# Altium PCB PCB1.PcbDoc (part 1 of 4)
Units mm, origin at the board's own origin, x right, y up, seen from the top; angles counter-clockwise.
Board outline 56.01 x 67.94 mm, 2 copper layers (Top Layer, Bottom Layer); 131 components, 109 nets, 548 pads, 93 vias.
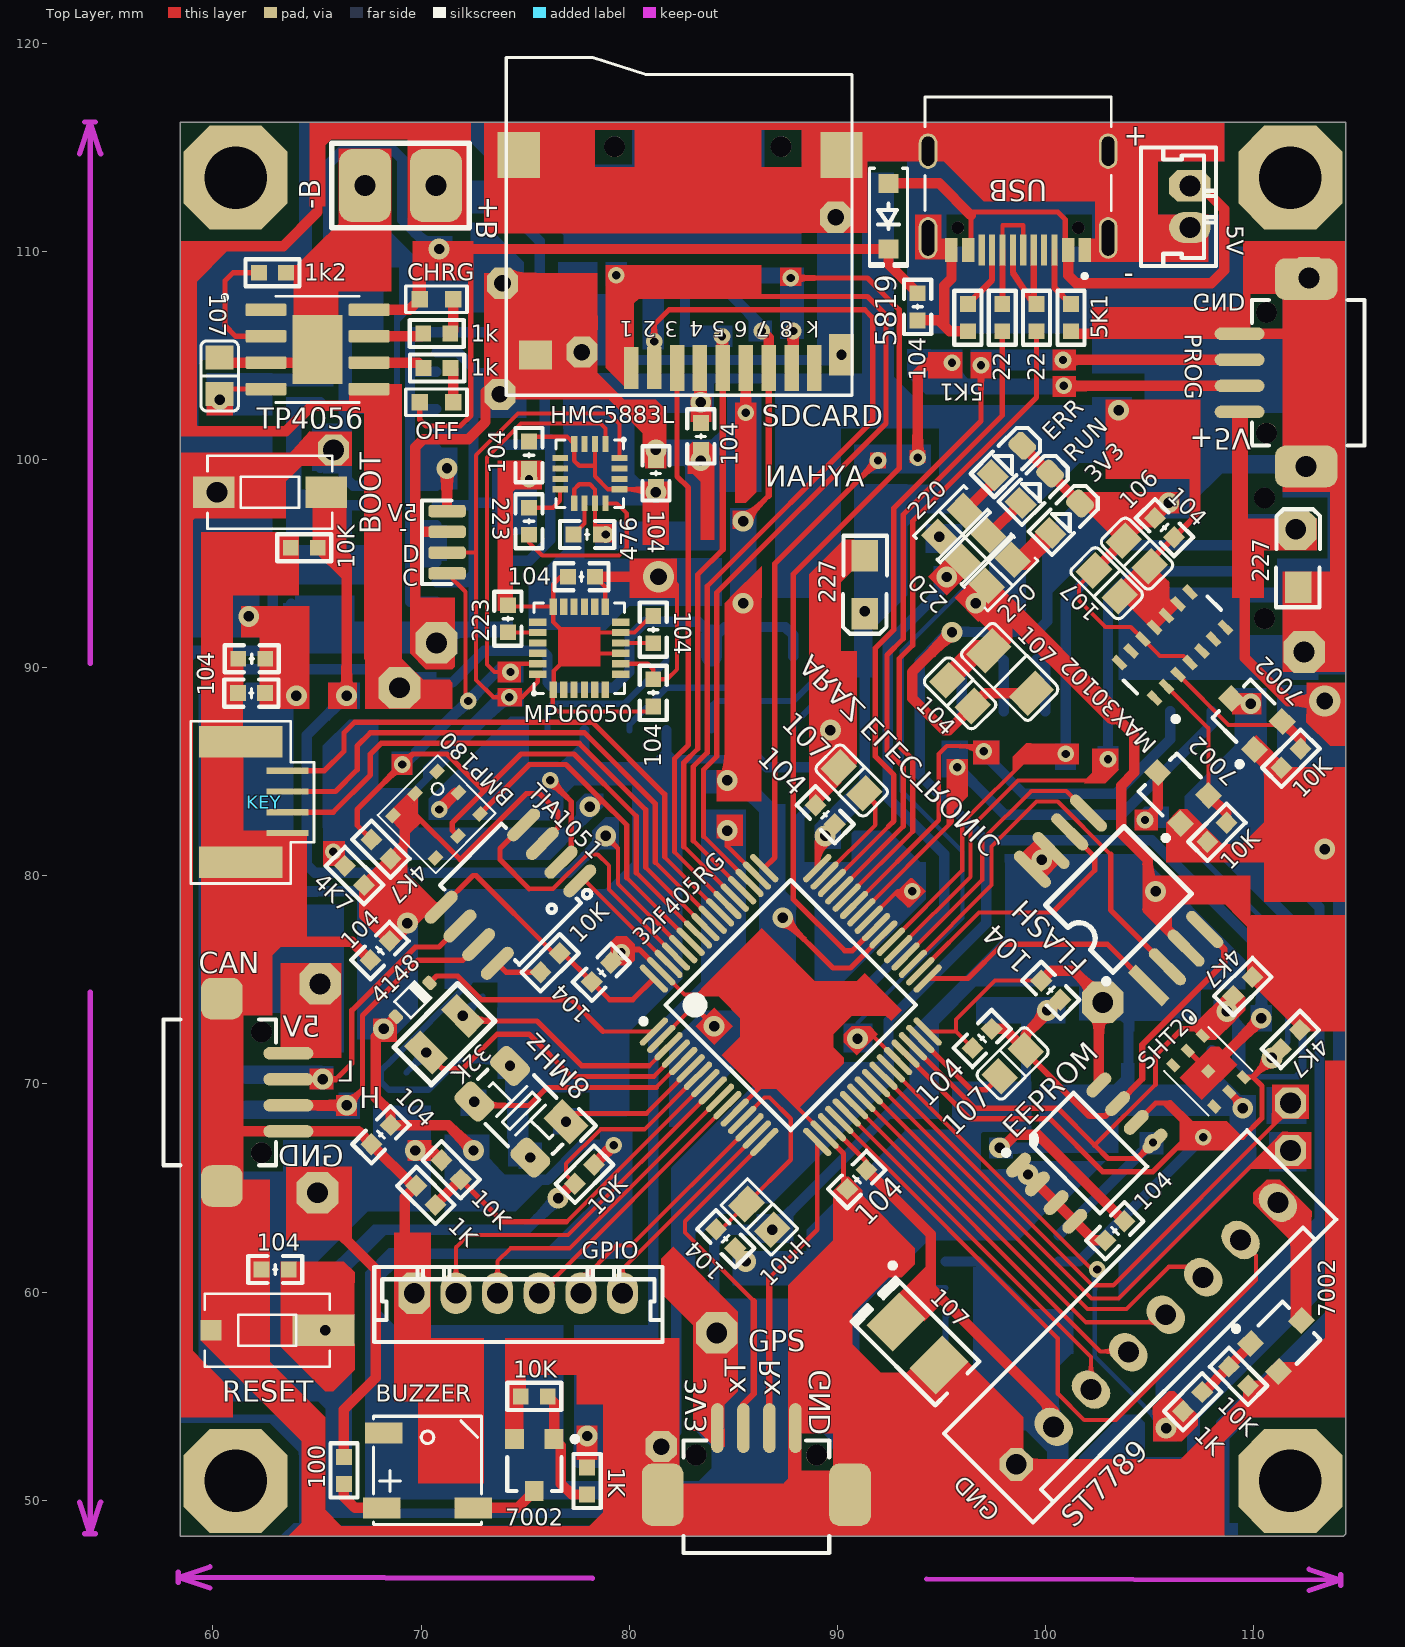
[diagram p0: Top Layer view]
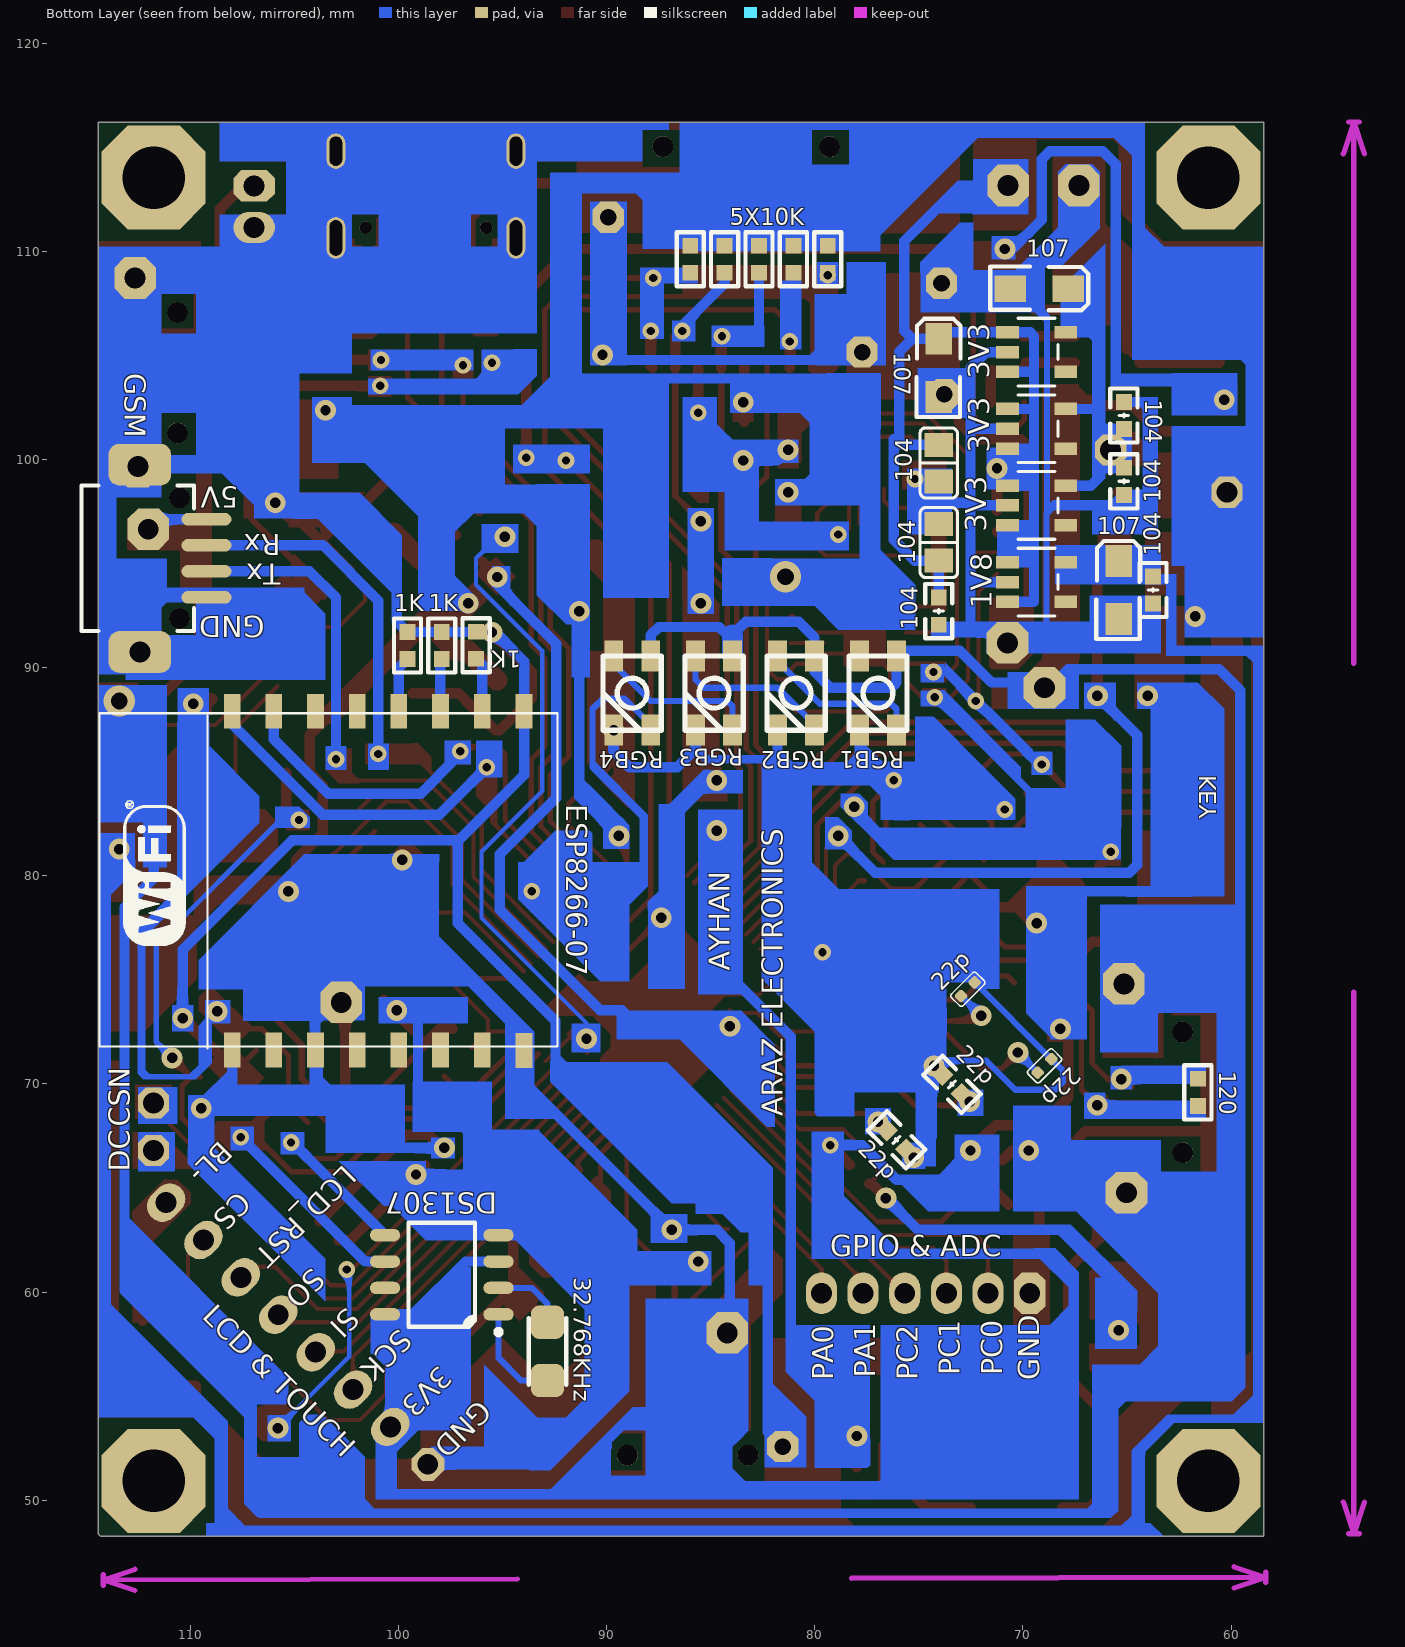
[diagram p1: Bottom Layer view, seen from below]
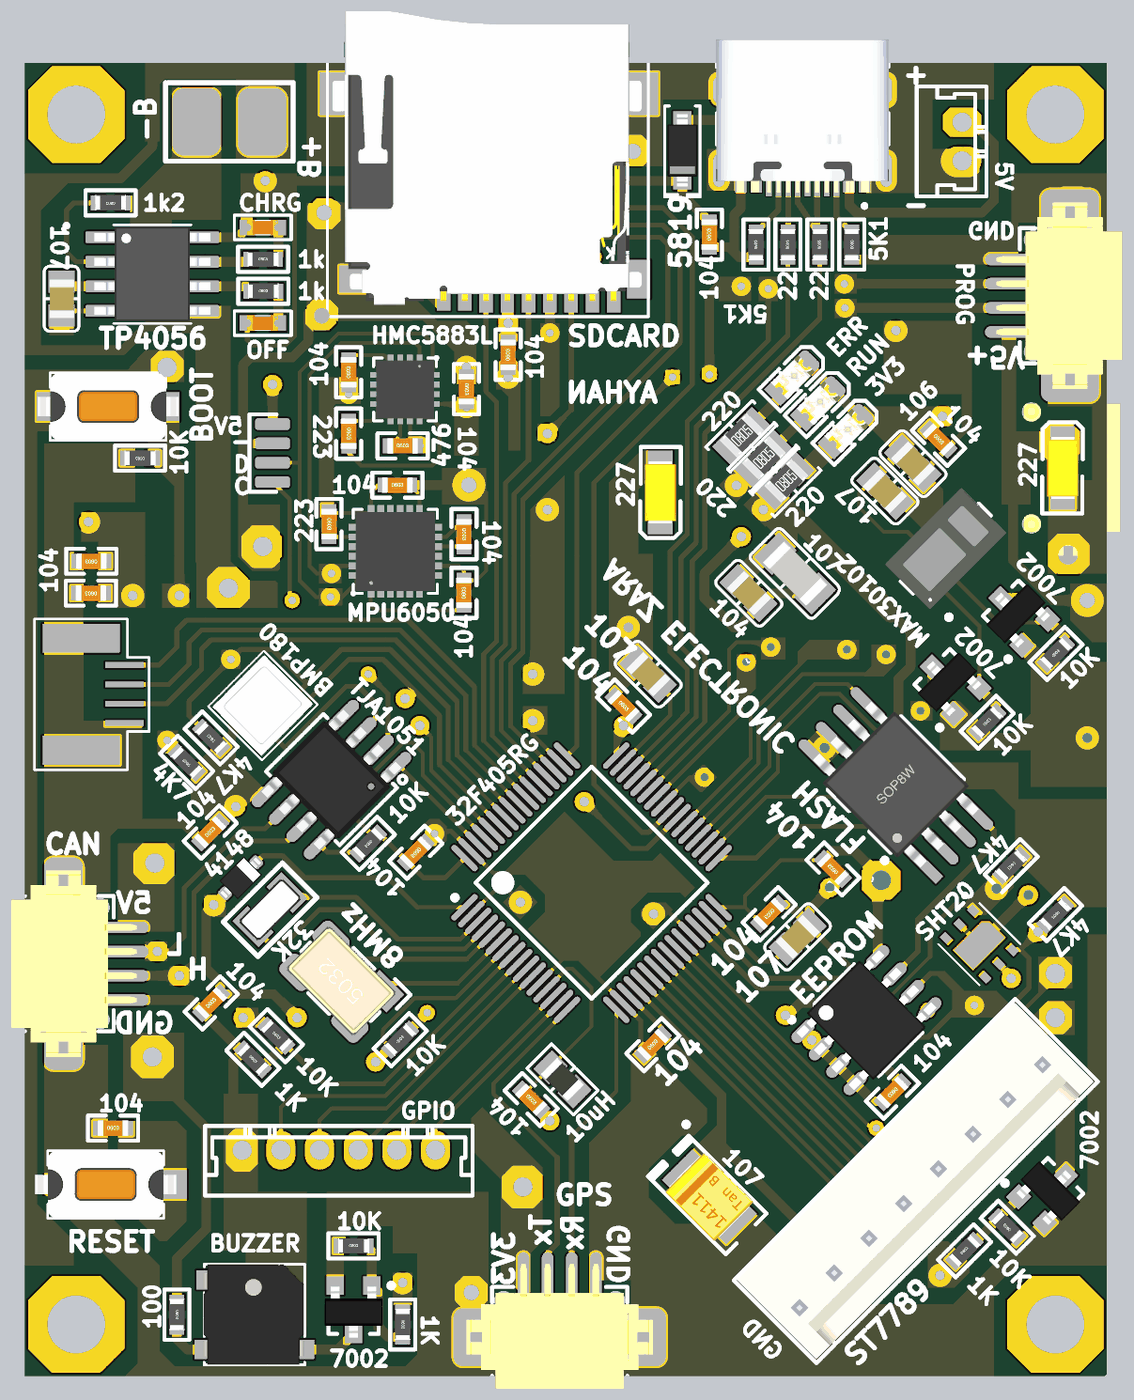
[diagram p5: 3D render of the assembled board from above, using the file's embedded part models]
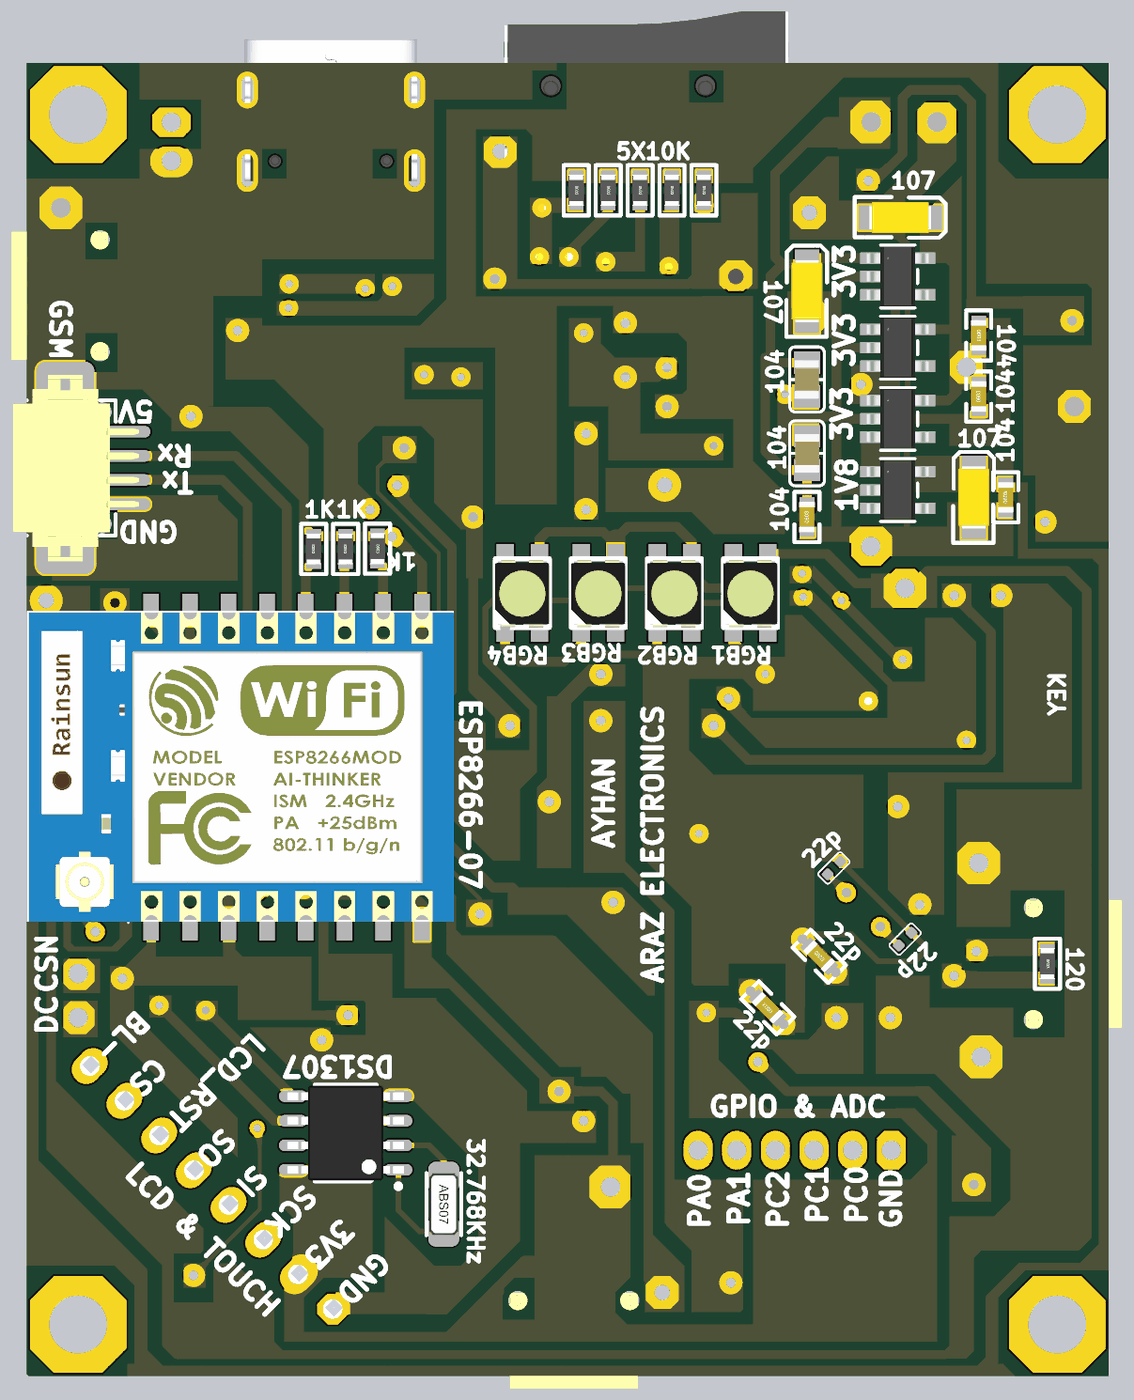
[diagram p6: 3D render of the assembled board from below, using the file's embedded part models]

## Layer stack, top to bottom
Top Solder: solder mask 0.0102, Solder Resist, Dk 3.5
Top Layer: signal copper 0.0356
Dielectric 1: dielectric 0.32, FR-4, Dk 4.8
Bottom Layer: signal copper 0.0356
Bottom Solder: solder mask 0.0102, Solder Resist, Dk 3.5

## Board outline
58.42,48.26 58.42,116.205 114.427,116.205 114.427,48.387 114.3,48.26

## Design rules (kind name [scope] priority, off if disabled: settings)
Clearance [All] p1: gap=0.2 ignorepadtopadclearanceinfootprint=TRUE
FanoutControl Fanout_Default [All] p1: bgadir=Out bgaviamode=Centered fanoutstyle=Auto fanoutdirection=Alternating viagrid=0.025 // Fanout_Default (Default Rule)
FanoutControl Fanout_Small [(CompPinCount < 5)] p2: bgadir=Out bgaviamode=Centered fanoutstyle=Auto fanoutdirection=OutThenIn viagrid=0.025 // Fanout_Small (Default Rule)
FanoutControl Fanout_LCC [IsLCC] p4: bgadir=Out bgaviamode=Centered fanoutstyle=Auto fanoutdirection=Alternating viagrid=0.025 // Fanout_LCC (Default Rule)
FanoutControl Fanout_BGA [IsBGA] p5: bgadir=Out bgaviamode=Centered fanoutstyle=Auto fanoutdirection=Alternating viagrid=0.025 // Fanout_BGA (Default Rule)
PolygonConnect [All] p1: connectstyle=Relief reliefconductorwidth=0.254 reliefentries=4 polygonreliefangle="90 Angle" airgapwidth=0.254
RoutingVias [All] p1: holewidth=0.4 width=0.8 viastyle="Through Hole" minholewidth=0.4 minwidth=0.8 maxholewidth=0.5 maxwidth=1
SolderMaskExpansion [All] p1: expansion=0.102 istentingtop=FALSE
Width [All] p1: maxlimit=1 minlimit=0.2 preferedwidth=0.3
26 further rules are at their usual default settings.

## Classes and differential pairs
component class Sheet1: 1k 1K 1k2 3V3 4K7 5K1 5X10K 8MHz 10K 10uH 22 22p 32F405RG 32K 100 104 106 107 223 476 4148 5819 7002 -B BMP180 BOOT CAN CHRG DS1307 EEPROM ESP8266-07 FLASH GPS GSM HMC5883L J8 MAX30102 MPU6050 OFF PROG RESET SDCARD TJA1051 TP4056 USB

## Components (designator, comment, footprint, x,y, rotation, side; value= is the part's Value field where it differs from the comment)
1K "1K" "R 0603_L" 107.061,54.737 r45 top (schematic designator R20)
1K "1K" "R 0603_L" 96.266,91.074 r270 bottom (schematic designator R19)
1K "1K" "R 0603_L" 97.917,91.059 r90 bottom (schematic designator R18)
1K "1K" "R 0603_L" 99.568,91.059 r90 bottom (schematic designator R17)
1k "1K" "R 0603_L" 70.754,106.045 r0 top (schematic designator R13)
1k "1K" "R 0603_L" 70.769,104.394 r0 top (schematic designator R12)
1K "1K" "R 0603_L" 70.231,64.643 r315 top (schematic designator R11)
1K "1K" "R 0603_L" 77.978,50.927 r270 top (schematic designator R2)
1k2 "1K5" "R 0603_L" 62.865,108.966 r180 top (schematic designator R14)
1V8 "RT9013-18GB" SOT-23-5_MC_MCH 69.342,94.107 r180 bottom (schematic designator IC4)
3V3 "RT9013-33GB" SOT-23-5_MC_MCH 69.342,105.156 r180 bottom (schematic designator IC2)
3V3 "RT9013-33GB" SOT-23-5_MC_MCH 69.342,101.473 r180 bottom (schematic designator IC1)
3V3 "RT9013-33GB" SOT-23-5_MC_MCH 69.342,97.79 r180 bottom (schematic designator IC1)
3V3 "Comment" LED_0805_GREEN 100.947,97.173 r45 top
4K7 "10K" "R 0603_L" 109.474,74.676 r225 top (schematic designator R31)
4K7 "10K" "R 0603_L" 66.802,80.01 r135 top (schematic designator R9)
4K7 "10K" "R 0603_L" 68.072,81.28 r135 top (schematic designator R8)
4K7 "10K" "R 0603_L" 111.76,72.136 r225 top (schematic designator R29)
5K1 "10K" "R 0603_L" 96.266,106.807 r90 top (schematic designator R7)
5K1 "10K" "R 0603_L" 101.219,106.807 r270 top (schematic designator R4)
5V "Comment" TMS2_2 106.934,112.141 r270 top
5X10K "10K" "R 0603_L" 85.979,109.616 r270 bottom (schematic designator R24)
8MHz "8M" "OSC 5032-4P" 74.803,68.707 r135 top (schematic designator X1)
10K "10K" "R 0603_L" 111.789,85.646 r45 top (schematic designator R32)
10K "10K" "R 0603_L" 108.233,82.09 r45 top (schematic designator R30)
10K "10K" "R 0603_L" 76.2,75.819 r225 top (schematic designator R22)
10K "1K" "R 0603_L" 109.268,55.959 r135 top (schematic designator R21)
10K "10K" "R 0603_L" 77.851,65.659 r45 top (schematic designator R16)
10K "10K" "R 0603_L" 64.389,95.758 r180 top (schematic designator R15)
10K "10K" "R 0603_L" 71.441,65.874 r315 top (schematic designator R10)
10K "1K" "R 0603_L" 75.438,54.991 r0 top (schematic designator R3)
10uH "1uH" "IND 0805_2012" 86.249,63.611 r135 top (schematic designator L1)
22 "22R" "R 0603_L" 99.568,106.807 r90 top (schematic designator R6)
22 "22R" "R 0603_L" 97.917,106.807 r90 top (schematic designator R5)
22p "22pF" "C 0603_L" 73.406,69.977 r225 bottom (schematic designator C11)
22p "22pF" "C 0603_L" 76.073,67.31 r45 bottom (schematic designator C10)
22p "Val" C0402 72.644,74.549 r225 bottom (schematic designator C9)
22p "Val" C0402 68.961,70.866 r225 bottom (schematic designator C8)
32.768KHz "Comment" XTL_2_3215 92.837,57.15 r270 bottom
32F405RG "STM32F405RGT6" STM-LQFP64_N 87.757,73.787 r45 top (schematic designator U1)
32K "32.768KHz" ABS0732768KHZ7T 71.12,72.39 r45 top (schematic designator XTAL1)
100 "22R" "R 0603_L" 66.294,51.435 r270 top (schematic designator R1)
104 "Comment" "CAP 0805_2012" 95.885,88.773 r315 top
104 "104" "C 0603_L" 103.33,62.944 r225 top (schematic designator C37)
104 "104" "C 0603_L" 68.072,67.564 r45 top (schematic designator C36)
104 "104" "C 0603_L" 83.439,101.107 r90 top (schematic designator C35)
104 "104" "C 0603_L" 62.992,61.087 r0 top (schematic designator C32)
104 "104" "C 0603_L" 81.153,91.821 r270 top (schematic designator C30)
104 "104" "C 0603_L" 81.153,88.788 r90 top (schematic designator C29)
104 "104" "C 0603_L" 77.709,94.361 r0 top (schematic designator C28)
104 "100nF" "C 0603_L" 89.408,82.931 r315 top (schematic designator C27)
104 "100nF" "C 0603_L" 78.661,75.359 r225 top (schematic designator C26)
104 "100nF" "C 0603_L" 90.932,65.405 r45 top (schematic designator C25)
104 "100nF" "C 0603_L" 96.949,72.184 r225 top (schematic designator C24)
104 "100nF" "C 0603_L" 68.024,76.406 r45 top (schematic designator C23)
104 "100nF" "C 0603_L" 75.184,100.203 r90 top (schematic designator C18)
104 "100nF" "C 0603_L" 81.28,99.329 r270 top (schematic designator C16)
104 "100nF" "C 0603_L" 84.63,62.563 r315 top (schematic designator C15)
104 "220nF" "C 0603_L" 93.853,107.33 r90 top (schematic designator C14)
104 "220nF" "C 0603_L" 61.864,90.424 r180 top (schematic designator C13)
104 "220nF" "C 0603_L" 105.712,96.726 r315 top (schematic designator C12)
104 "220nF" "C 0603_L" 65.151,98.948 r90 bottom (schematic designator C7)
104 "220nF" "C 0603_L" 65.151,102.108 r270 bottom (schematic designator C6)
104 "220nF" "C 0603_L" 74.041,92.71 r90 bottom (schematic designator C5)
104 "10uF" "CAP 0805_2012" 74.041,99.822 r90 bottom (schematic designator C4)
104 "220nF" "C 0603_L" 63.754,93.726 r90 bottom (schematic designator C3)
104 "10uF" "CAP 0805_2012" 74.041,96.012 r270 bottom (schematic designator C2)
104 "100nF" "C 0603_L" 100.251,74.501 r135 top (schematic designator C1)
106 "10uF" "CAP 0805_2012" 104.382,95.481 r315 top (schematic designator C39)
107 "Comment" "CAP TANSMD 1411_3528 CASE B" 93.853,57.531 r315 top
107 "Comment" "CAP 1206_3216 - 0.8MM" 98.298,89.789 r315 top
107 "10uF" "CAP 0805_2012" 102.945,94.044 r135 top (schematic designator C38)
107 "10uF" "CAP 0805_2012" 98.425,70.993 r225 top (schematic designator C34)
107 "10uF" "CAP 0805_2012" 90.678,84.582 r315 top (schematic designator C33)
107 "10uF" "CAP 0805_2012" 60.325,104.013 r270 top (schematic designator C21)
107 "Comment" C_1206 65.405,93.726 r270 bottom
107 "Comment" C_1206 74.041,104.394 r270 bottom
107 "Comment" C_1206 69.215,108.204 r0 bottom
120 "75R" "R 0603_L" 61.595,69.596 r270 bottom (schematic designator R23)
220 "Comment" "RES 0805_2012" 97.794,94.559 r45 top
220 "Comment" "RES 0805_2012" 96.637,95.736 r45 top
220 "Comment" "RES 0805_2012" 95.504,96.901 r45 top
223 "2n2F" "C 0603_L" 74.168,92.344 r270 top (schematic designator C31)
223 "220nF" "C 0603_L" 75.184,97.028 r270 top (schematic designator C22)
227 "Comment" C_1206 91.313,93.98 r90 top
227 "Comment" C_1206 112.141,95.25 r270 top
476 "4.7μF" "C 0603_L" 77.978,96.393 r0 top (schematic designator C19)
4148 "1N4148" SOD-323 69.596,74.041 r45 top (schematic designator D?)
5819 "1N5819" SOD-123 92.456,111.684 r270 top (schematic designator D1)
7002 "2n7002" SOT-23-3 109.814,87.622 r45 top (schematic designator T4)
7002 "2n7002" SOT-23-3 106.268,84.076 r45 top (schematic designator T3)
7002 "2n7002" SOT-23-3 111.411,57.743 r315 top (schematic designator T2)
7002 "2n7002" SOT-23-3 75.438,51.689 r180 top (schematic designator T1)
-B "BATTERY" "battery connector" 69.01,113.157 r180 top (schematic designator J2)
BMP180 "BMP180" BMP180 70.739,82.931 r45 top (schematic designator IC6)
BOOT "WE-Tact Switches WS-TASV 434113043826" 434113043826#1 62.738,98.425 r180 top (schematic designator SW4)
BUZZER "Beep-5020" 5020BUZZER 70.358,51.435 r270 top (schematic designator BUZZER?)
C17 "220nF" "C 0603_L" 61.849,88.773 r180 top
CAN "DF13-4" DF13_4S#1 63.627,69.596 r90 top (schematic designator J6)
CHRG "Val" LED_0603 70.739,107.696 r180 top (schematic designator LED2)
DS1307 "DS1307" "SOIC-8 4.9X3.9MM P1.27MM" 97.917,60.833 r0 bottom (schematic designator U3)
EEPROM "AT24C04" "SOIC-8 4.9X3.9MM P1.27MM" 101.981,66.675 r45 top (schematic designator U4)
ERR "Comment" LED_0805_RED 98.171,99.949 r45 top
ESP8266-07 "ESP-07" ESP07 113.514,71.806 r180 bottom (schematic designator M1)